# KiCad board mainboard_1.kicad_pcb (continued)
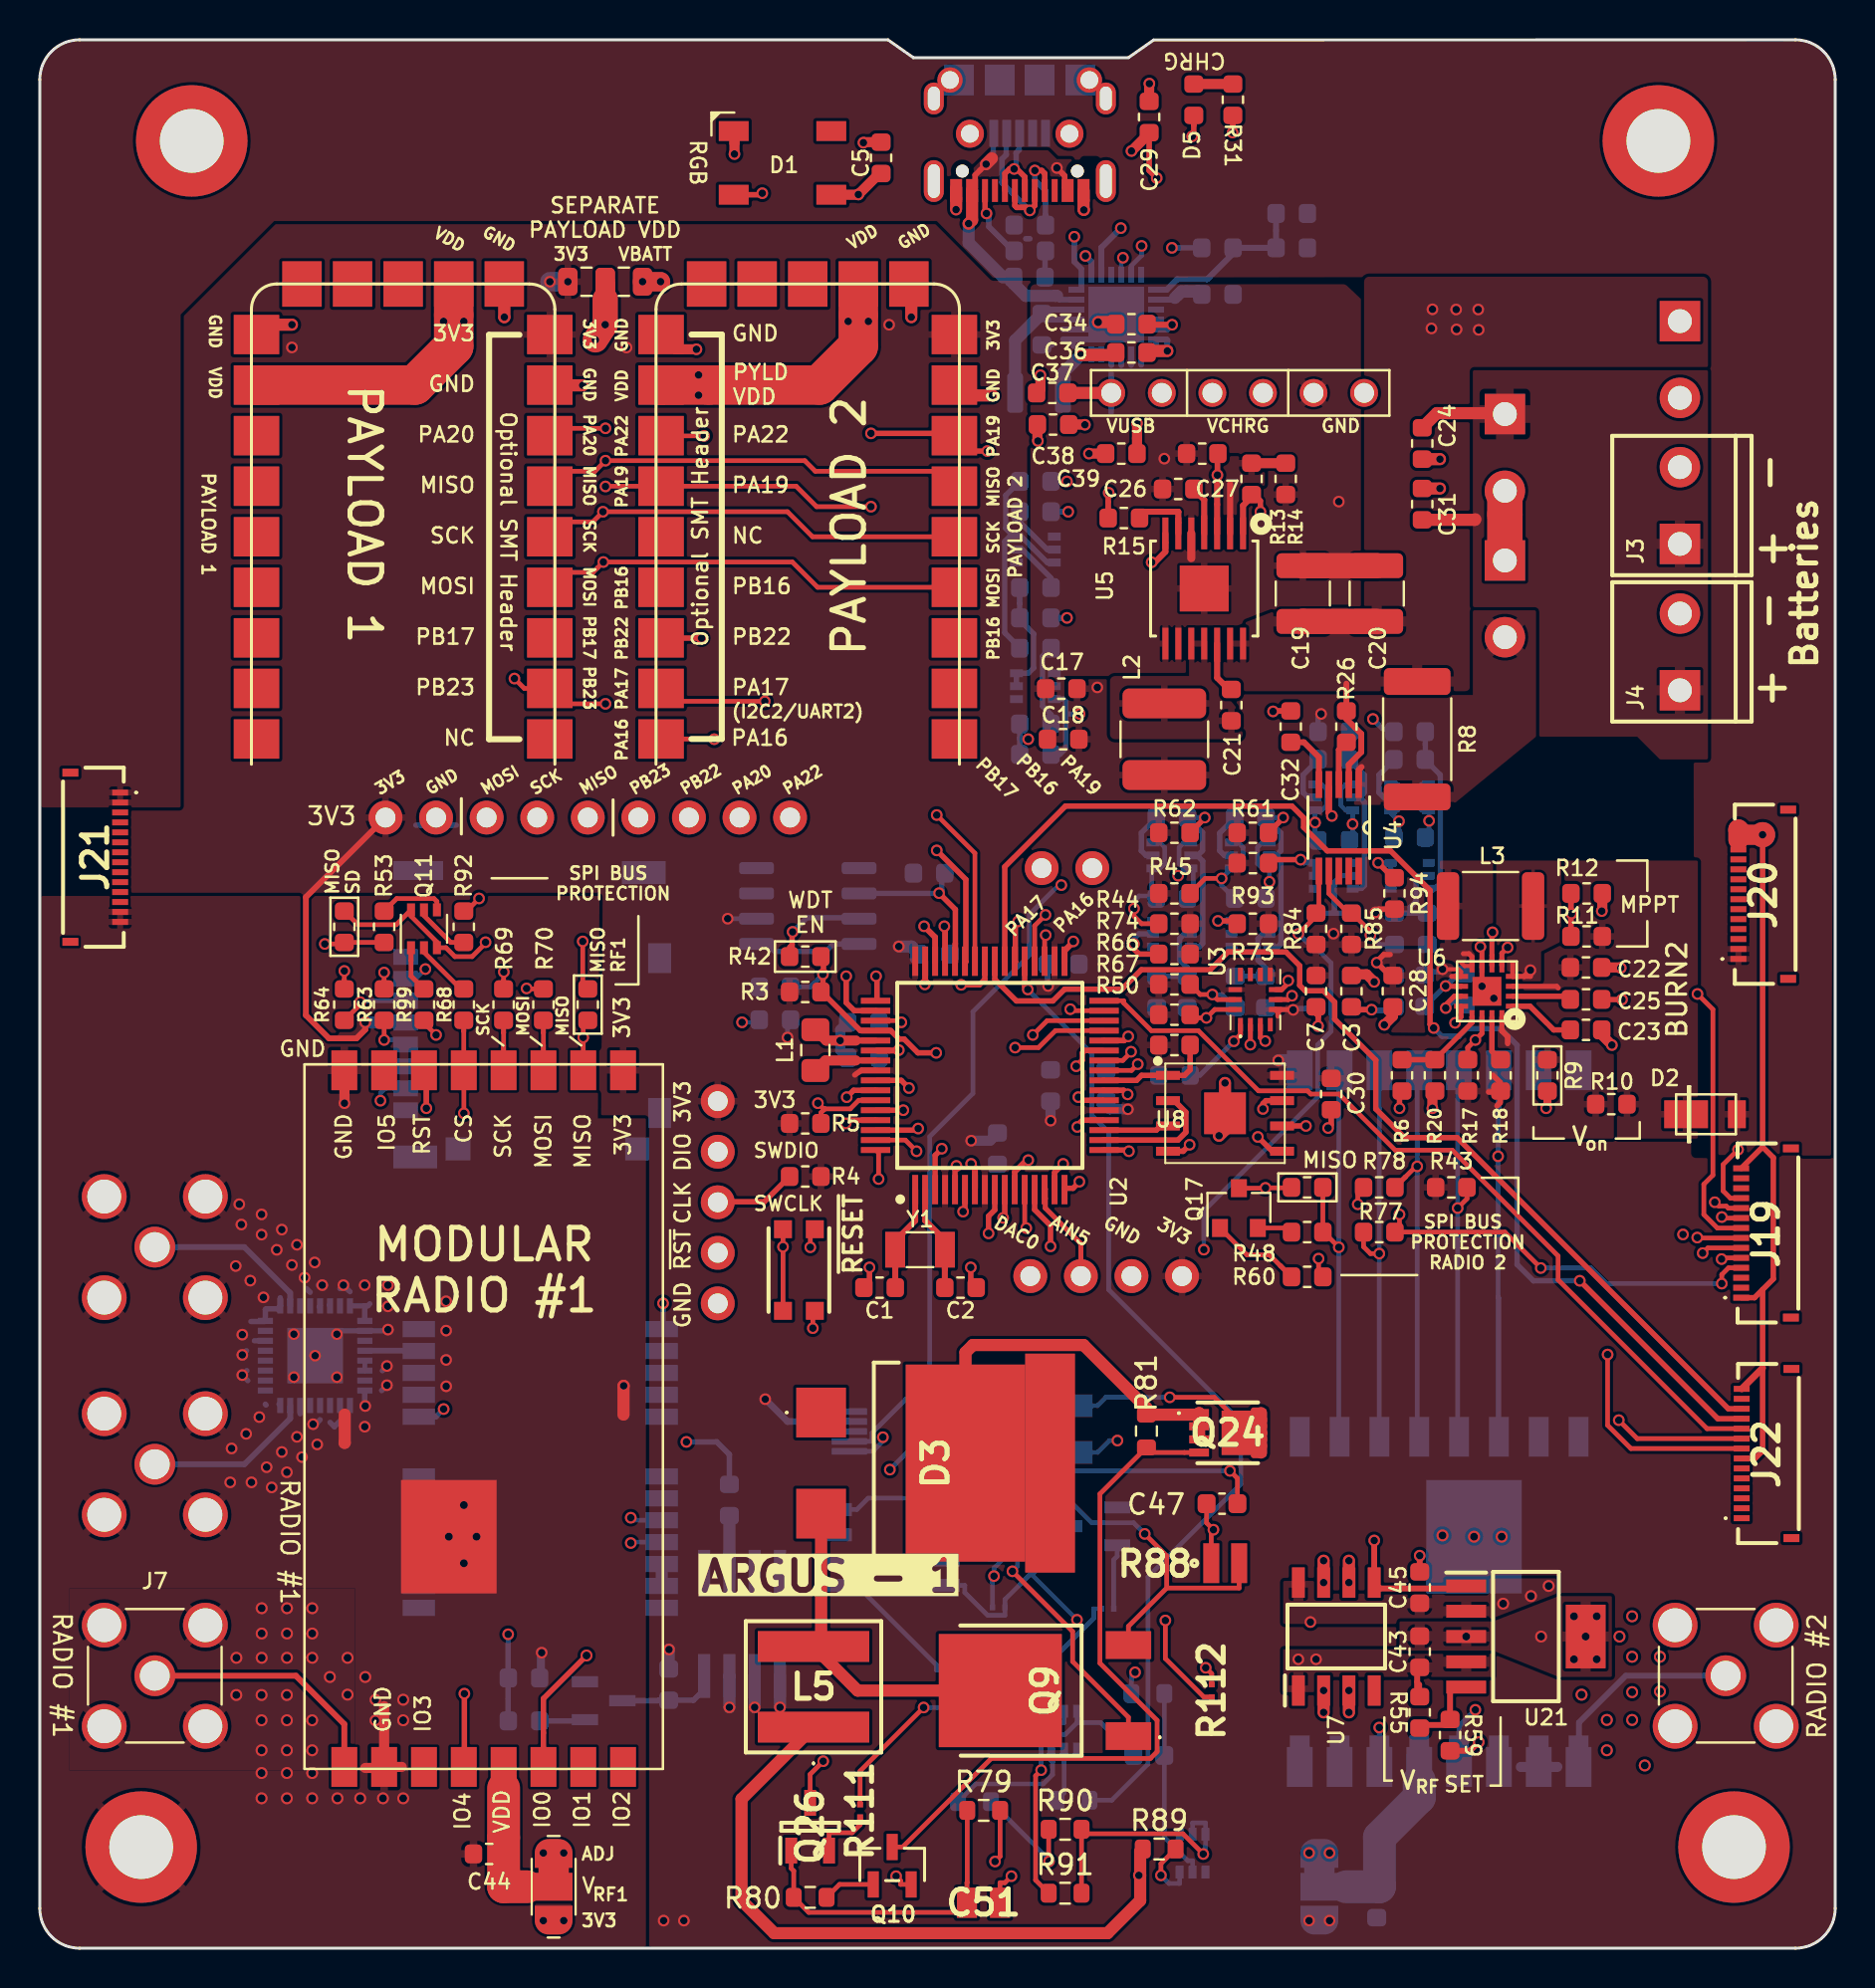
[diagram p0: board, top side]
## Library data of the parts (continued)
Q10 = -: Description: Single N-Channel MOSFET; Manufacturer_Name: Infineon Technologies; Manufacturer_Part_Number: IRLML2803TRPbF; Proto: 2302
Q11 = -: Description: 600mA IC, 60V Vce, Dual PNP/PNP Transistors, SOT-363; Flight: MMDT2907AQ-7-F; Manufacturer_Name: Diodes Incorporated; Manufacturer_Part_Number: MMDT2907AQ-7-F; Proto: MMDT2907A
Q12 Q13 Q18 Q19 = -: Description: Dual N-Channel MOSFET - 2NMOS; Manufacturer_Name: Diodes Incorporated
Q17 = -: Description: 0.8A Ic, 45V Vce, PNP Transistor, SOT-23; Flight: MMBT2907ALT1G; Manufacturer_Name: ON Semiconductor; Manufacturer_Part_Number: MMBT2907ALT1G; Proto: MMBT2907A
Q22 = -: Description: P-Channel MOSFET; Manufacturer_Name: ON Semiconductor; Proto: DMP2022LSS-13
Q24 = -: Description: Automotive P-Channel 40 V (D-S) 175 C MOSFET; Height: 1.12; Manufacturer_Name: Vishay; Mouser Part Number: 78-SQS141ELNW-T1_GE3; Mouser Price/Stock: https://www.mouser.co.uk/ProductDetail/Vishay-Semiconductors/SQS141ELNW-T1_GE3?qs=t7xnP681wgUUJh1P9XVDHQ%3D%3D
Q25 Q26 = -: Description: Bipolar Transistors - BJT TRANS GP BJT NPN 6V 0.05A 3PIN; Height: 1.3; Manufacturer_Name: ROHM Semiconductor; Mouser Part Number: 755-2SC4713KT146R; Mouser Price/Stock: https://www.mouser.co.uk/ProductDetail/ROHM-Semiconductor/2SC4713KT146R?qs=IsRgwgmxh69T12rcC0HTuA%3D%3D
R1-R4 R26 R29-R31 R34-R36 R39 R40 R44-R53 R55 R59-R78 R82-R87 R89-R96 R99 R100 R102 R103 R110 = -: Description: Resistor, US symbol
R5 R7 R41 R43 = -: Description: 10k 0603
R6 = -: Description: 4.7k 0603
R8 = -: Description: 0.1 1% 2W 2512
R9 = -: Description: 107K 0603; DNI: DNI
R10 = -: Description: 0 0603
R11 = -: Description: 787K 0603
R12 = -: Description: 121K 0603
R13 = -: Description: 73.2K 0603
R14 = -: Description: 22.1K 0603
R15 R17 = -: Description: 100K 0603
R16 = -: Description: 845K 1% 0603
R18 = -: Description: 100K 0603; DNI: DNI
R19 = -: Description: 2.1M 1% 0603
R20 = -: Description: 3.01K 0603
R21 R24 R79 = -: Description: 10K 0603
R22 R80 = -: Description: 4.7K 0603
R23 R81 = -: Description: 3.3K 0603
R42 R54 R56 R97 R98 R101 R104 R107-R109 = -: Description: Resistor, US symbol; DNI: DNI
R88 = -: Description: High Power Chip Resistor (Wide Terminal type), 0508; Height: 0.6; Manufacturer_Name: Panasonic; Manufacturer_Part_Number: ERJ-B3CFR02V; Mouser Part Number: 667-ERJ-B3CFR02V; Mouser Price/Stock: https://www.mouser.com/Search/Refine.aspx?Keyword=667-ERJ-B3CFR02V
R105 R111 = -: Description: Series/Type: Precision Thick Film Chip Resistors, Power Rating (W): 0.05, Chip Size (LxW(EIA)) (mm): 0.6 x 0.3 (EIA:0201), Resistance Values (): 1000, Resistance Tolerance (%): 1, T.C.R (10/K): +/-200; Height: 0.26; Manufacturer_Name: Panasonic; Manufacturer_Part_Number: ERJ-1GJF1001C; Mouser Part Number: 667-ERJ-1GJF1001C; Mouser Price/Stock: https://www.mouser.co.uk/ProductDetail/Panasonic/ERJ-1GJF1001C?qs=OcgtsXO%252B3guJUjvXwXq4eA%3D%3D
R106 = -: Description: Series/Type: Precision Thick Film Chip Resistors, Power Rating (W): 0.05, Chip Size (LxW(EIA)) (mm): 0.6 x 0.3 (EIA:0201), Resistance Values (): 10000, Resistance Tolerance (%): 1, T.C.R (10/K): +/-200; Height: 0.26; Manufacturer_Name: Panasonic; Manufacturer_Part_Number: ERJ-1GJF1002C; Mouser Part Number: 667-ERJ-1GJF1002C; Mouser Price/Stock: https://www.mouser.co.uk/ProductDetail/Panasonic/ERJ-1GJF1002C?qs=OcgtsXO%252B3gveAYGlL%2Fftlw%3D%3D
R112 = -: Description: Series/Type: Thick Film Chip Resistors, Power Rating (W): -, 0.6 x 0.3 (EIA:0201), Resistance Values (): 0, Resistance Tolerance (%): -, T.C.R (10/K): -; DNI: DNI; Height: 0.26; Manufacturer_Name: Panasonic; Manufacturer_Part_Number: ERJ-1GJ0R00C; Mouser Part Number: 667-ERJ-1GJ0R00C; Mouser Price/Stock: https://www.mouser.co.uk/ProductDetail/Panasonic/ERJ-1GJ0R00C?qs=OcgtsXO%252B3gsHTMloWTpOqQ%3D%3D
R113 = -: Description: Panasonic ERJ6BW Series Thick Film Current Sensing Surface Mount Resistor 0805 Case 0.082 +/-1% 0.5W +/-200ppm/C; Manufacturer_Name: Panasonic; Manufacturer_Part_Number: ERJ-6BWFR082V; Mouser Part Number: 667-ERJ-6BWFR082V; Mouser Price/Stock: https://www.mouser.com/Search/Refine.aspx?Keyword=667-ERJ-6BWFR082V
SW1 = -: Description: Tactile Switch SPST-NO; Manufacturer_Name: C&K
U1 = -: Description: Watch-dog Timer; Manufacturer_Name: Maxim Integrated
U2 = -: Description: Microcontroller; Manufacturer_Name: Microchip Technology
U3 = -: Description: IMUs - Inertial Measurement Units 9-axis (9DOF) Absolute Orientation MEMS Sensor; Manufacturer_Name: Bosch Sensortec
U4 U18 = -: Description: Power Monitor; Manufacturer_Name: Analog Devices Inc.
U5 = -: Description: 3.3V Switching Regulator; Flight: TPS54226PWPR; Manufacturer_Name: Texas Instruments; Manufacturer_Part_Number: TPS54226PWPR; Proto: TPS54226PWPR; Field8: >Name
U6 = -: Description: Battery Charger - MPPT - Solar Input; Flight: LTC4121EUD; Manufacturer_Name: Analog Devices Inc.; Manufacturer_Part_Number: LTC4121EUD; Proto: LTC4121EUD
U7 = -: Description: Fixed LDO (alt for U21 - 2021 chip shortage); Manufacturer_Name: STMicroelectronics
U8 = -: Description: Non-Volatile Memory; Manufacturer_Name: Everspin Technologies Inc.; Manufacturer_Part_Number: W25Q80DVSNIG; Proto: W25Q80DVSNIG
U10 U12 U15 = -: DNI: DNI
U13 = -: Description: RF Splitter DC-Pass; DNI: DNI; Manufacturer_Name: Mini Circuits
U14 = -: DNI: DNI; Field5: >Name
U17 = -: Description: Battery Charger - USB Power Delivery; Manufacturer_Name: Texas Instruments
U21 = -: Description: Adjustable LDO; Manufacturer_Name: Texas Instruments
U23 = -: Description: 433 MHz 1W Radio; Manufacturer_Name: HopeRF; Field8: RADIO 2
U24 = -: DNI: DNI; Field5: RADIO 2
Y1 = -: Description: Two pin crystal; Flight: ABS07-32.768KHZ-T; Manufacturer_Name: Abracon LLC; Manufacturer_Part_Number: SC-32S32.768kHz20PPM7pF; Proto: SC-32S32.768kHz20PPM7pF

## Footprints (pads in the part's own frame, mm; a bottom-side part is the same pattern mirrored in y, then rotated)
10118194-0001LF
  rect 0.45x1.35 smd: 1(-1.3,2.675) 2(-0.65,2.675) 3(0,2.675) 4(0.65,2.675) 5(1.3,2.675)
  round 1.408 hole 0.9: 6(-2.5,2.7) 7(2.5,2.7)
  round 1.27 hole 0.889: 8(-3.5,0) 9(3.5,0)
  rect 1.5x1.55 smd: 10(-1,0) 11(1,0) 12(-3.05,0) 13(3.05,0)
ADM1176-1ARMZ-R7
  rect 1.35x0.33 smd: 1(-2.17,1) 2(-2.17,0.5) 3(-2.17,0) 4(-2.17,-0.5) 5(-2.17,-1) 6(2.18,-1) 7(2.18,-0.5) 8(2.18,0) 9(2.18,0.5) 10(2.18,1)
ADM1176-1ARMZ-R7#2
  rect 1.778x0.33 smd: 1(-2.045,1) 2(-2.045,0.5) 3(-2.045,0) 4(-2.045,-0.5) 5(-2.045,-1) 6(2.045,-1) 7(2.045,-0.5) 8(2.045,0) 9(2.045,0.5) 10(2.045,1)
BMX160
  rect 0.675x0.25 smd: 1(1.262,-0.75) 2(1.262,-0.25) 3(1.262,0.25) 4(1.262,0.75) 8(-1.262,0.75) 9(-1.262,0.25) 10(-1.262,-0.25) 11(-1.262,-0.75)
  rect 0.25x0.675 smd: 5(0.5,1.012) 6(0,1.012) 7(-0.5,1.012) 12(-0.5,-1.012) 13(0,-1.012) 14(0.5,-1.012)
BSS138DWQ-7
  rect 0.6x0.4 smd: 1(-0.95,0.65) 2(-0.95,0) 3(-0.95,-0.65) 4(0.95,-0.65) 5(0.95,0) 6(0.95,0.65)
BTN_KMR2_4.6X2.8
  rect 0.9x0.9 smd: A(2.05,0.8) A'(-2.05,0.8) B(2.05,-0.8) B'(-2.05,-0.8)
C_0603_1608Metric
  rrect 0.875x0.95 smd: 1(-0.787,0) 2(0.787,0)
C_1210_3225Metric
  rrect 1.25x2.65 smd: 1(-1.4,0) 2(1.4,0)
CAPC1608X87N
  rect 0.78x0.98 smd: 1(-0.7,0) 2(0.7,0)
CAPC2012X150N
  rect 1.01x1.52 smd: 1(-0.83,0) 2(0.83,0)
Crystal_SMD_3215-2Pin_3.2x1.5mm
  rect 1x1.8 smd: 1(1.25,0) 2(-1.25,0)
ERJ1GJJ2R4C
  rect 0.275x0.3 smd: 1(-0.313,0) 2(0.313,0)
ERJ6_B_BW_R_LW_CW_D
  rect 1.15x1.15 smd: 1(-1.175,0) 2(1.175,0)
ERJB30508
  rect 0.8x2 smd: 1(-0.7,0) 2(0.7,0)
F3311A7H121014E200
  rect 0.3x0.8 smd: 1(-3.25,1.345) 2(-2.75,1.345) 3(-2.25,1.345) 4(-1.75,1.345) 5(-1.25,1.345) 6(-0.75,1.345) 7(-0.25,1.345) 8(0.25,1.345) 9(0.75,1.345) 10(1.25,1.345) 11(1.75,1.345) 12(2.25,1.345) 13(2.75,1.345) 14(3.25,1.345)
  rect 0.4x0.8 smd: MP1(-4.25,-1.155) MP2(4.25,-1.155)
HOPERF_RFM9XW_SMD
  rect 2x1 smd: 1(-8,7) 2(-8,5) 3(-8,3) 4(-8,1) 5(-8,-1) 6(-8,-3) 7(-8,-5) 8(-8,-7) 9(8,-7) 10(8,-5) 11(8,-3) 12(8,-1) 13(8,1) 14(8,3) 15(8,5) 16(8,7)
IRFR320TRPBFBE3
  rect 1.397x2.286 smd: 1(-2.286,-4.192) 3(2.286,-4.192)
  rect 5.69x6.18 smd: 2(0,2.243)
L_0805_2012Metric_Pad1.15x1.40mm_HandSolder
  rrect 1.15x1.4 smd: 1(-1.025,0) 2(1.025,0)
L_1812_4532Metric
  rrect 1.125x3.4 smd: 1(-2.138,0) 2(2.138,0)
L_2141
  rrect 1.5x4.2 smd: 1(-1.8,0) 2(1.8,0)
L_2510
  rrect 0.8x2 smd: 1(-1.2,0) 2(1.2,0)
LED_0603_1608Metric
  rrect 0.875x0.95 smd: 1(-0.787,0) 2(0.787,0)
LED_WS2812B_PLCC4_5.0x5.0mm_P3.2mm
  rect 1.5x1 smd: 1(-2.45,1.6) 2(-2.45,-1.6) 3(2.45,-1.6) 4(2.45,1.6)
MOLEX_503182-1852
  rect 0.8x1.24 smd: 1(-2.9,6.355) 2(-1.8,6.355) 3(-0.7,6.355) 4(0.4,6.355) 5(1.5,6.355) 6(2.6,6.355) 7(3.7,6.355) 8(4.8,6.355)
  rect 1.16x1.2 smd: DT(6.74,-5.275)
  rect 0.95x2.5 smd: P1(-7.245,5.725)
  rect 1.15x2.2 smd: P2(7.145,5.875) P3(-7.145,-5.605)
  rect 1.5x1.15 smd: P4(-2.84,-6.4) P5(4.94,-6.4)
  rect 1.16x1.25 smd: SW(6.74,3.725)
MountingHole_3.2mm_M3_DIN965_Pad
  round 5.6 hole 3.2: 1(0,0)
NDS8434
  rect 0.61x2.21 smd: 1(-1.905,-2.616) 2(-0.635,-2.616) 3(0.635,-2.616) 4(1.905,-2.616) 5(1.905,2.616) 6(0.635,2.616) 7(-0.635,2.616) 8(-1.905,2.616)
PA5432223NLT
  rect 5.6x1.55 smd: 1(0,-2.025) 2(0,2.025)
PinHeader_1x04_P2.54mm_Vertical
  oval 1.7x1.7 hole 1: 1(0,0) 2(0,-2.54) 3(0,-5.08) 4(0,-7.62)
PinHeader_1x05_P2.54mm_Vertical
  oval 1.7x1.7 hole 1: 1(0,0) 2(0,-2.54) 3(0,-5.08) 4(0,-7.62) 5(0,-10.16)
PinHeader_1x06_P2.54mm_Vertical
  round 1.4 hole 1: 1(0,0) 2(0,-2.54) 3(0,-5.08) 4(0,-7.62) 5(0,-10.16) 6(0,-12.7)
PinHeader_1x09_P2.54mm_Vertical
  oval 1.7x1.7 hole 1: 1(0,0) 2(0,-2.54) 3(0,-5.08) 4(0,-7.62) 5(0,-10.16) 6(0,-12.7) 7(0,-15.24) 8(0,-17.78) 9(0,-20.32)
PinHeader_CUSTOM3
  oval 1.7x1.7 hole 1: 1(0,0) 2(0,-2.54)
PWP14_2P31X2P46-L
  rect 1.6x0.305 smd: 1(-2.769,1.95) 2(-2.769,1.3) 3(-2.769,0.65) 4(-2.769,0) 5(-2.769,-0.65) 6(-2.769,-1.3) 7(-2.769,-1.95) 8(2.769,-1.95) 9(2.769,-1.3) 10(2.769,-0.65) 11(2.769,0) 12(2.769,0.65) 13(2.769,1.3) 14(2.769,1.95)
  rect 2.31x2.46 smd: 15(0,0)
PWRDI-123
  rect 0.9x1.4 smd: A(1.45,0)
  rect 2.2x1.4 smd: C(-1.1,0)
QFN32-5X5MM
  rect 0.762x0.305 smd: 1(-2.5,1.75) 2(-2.5,1.25) 3(-2.5,0.75) 4(-2.5,0.25) 5(-2.5,-0.25) 6(-2.5,-0.75) 7(-2.5,-1.25) 8(-2.5,-1.75) 17(2.5,-1.75) 18(2.5,-1.25) 19(2.5,-0.75) 20(2.5,-0.25) 21(2.5,0.25) 22(2.5,0.75) 23(2.5,1.25) 24(2.5,1.75)
  rect 0.305x0.762 smd: 9(-1.75,-2.5) 10(-1.25,-2.5) 11(-0.75,-2.5) 12(-0.25,-2.5) 13(0.25,-2.5) 14(0.75,-2.5) 15(1.25,-2.5) 16(1.75,-2.5) 25(1.75,2.5) 26(1.25,2.5) 27(0.75,2.5) 28(0.25,2.5) 29(-0.25,2.5) 30(-0.75,2.5) 31(-1.25,2.5) 32(-1.75,2.5)
  rect 2.794x2.794 smd: EP(0,0)
QFN50P400X400X100-25N-D
  rect 0.8x0.3 smd: 1(-2,1.25) 2(-2,0.75) 3(-2,0.25) 4(-2,-0.25) 5(-2,-0.75) 6(-2,-1.25) 13(2,-1.25) 14(2,-0.75) 15(2,-0.25) 16(2,0.25) 17(2,0.75) 18(2,1.25)
  rect 0.3x0.8 smd: 7(-1.25,-2) 8(-0.75,-2) 9(-0.25,-2) 10(0.25,-2) 11(0.75,-2) 12(1.25,-2) 19(1.25,2) 20(0.75,2) 21(0.25,2) 22(-0.25,2) 23(-0.75,2) 24(-1.25,2)
  rect 2.8x2.8 smd: 25(0,0)
QFN-16-PAD
  rect 0.7x0.25 smd: P$1(-1.3,0.75) P$2(-1.3,0.25) P$3(-1.3,-0.25) P$4(-1.3,-0.75) P$9(1.3,-0.75) P$10(1.3,-0.25) P$11(1.3,0.25) P$12(1.3,0.75)
  rect 0.25x0.7 smd: P$5(-0.75,-1.3) P$6(-0.25,-1.3) P$7(0.25,-1.3) P$8(0.75,-1.3) P$13(0.75,1.3) P$14(0.25,1.3) P$15(-0.25,1.3) P$16(-0.75,1.3)
  rect 1.45x1.45 smd: P$17(0,0)
QFP50P1200X1200X120-64N
  rect 1.475x0.3 smd: 1(-5.738,3.75) 2(-5.738,3.25) 3(-5.738,2.75) 4(-5.738,2.25) 5(-5.738,1.75) 6(-5.738,1.25) 7(-5.738,0.75) 8(-5.738,0.25) 9(-5.738,-0.25) 10(-5.738,-0.75) 11(-5.738,-1.25) 12(-5.738,-1.75) 13(-5.738,-2.25) 14(-5.738,-2.75) 15(-5.738,-3.25) 16(-5.738,-3.75) 33(5.738,-3.75) 34(5.738,-3.25) 35(5.738,-2.75) 36(5.738,-2.25) 37(5.738,-1.75) 38(5.738,-1.25) 39(5.738,-0.75) 40(5.738,-0.25) 41(5.738,0.25) 42(5.738,0.75) 43(5.738,1.25) 44(5.738,1.75) 45(5.738,2.25) 46(5.738,2.75) 47(5.738,3.25) 48(5.738,3.75)
  rect 0.3x1.475 smd: 17(-3.75,-5.738) 18(-3.25,-5.738) 19(-2.75,-5.738) 20(-2.25,-5.738) 21(-1.75,-5.738) 22(-1.25,-5.738) 23(-0.75,-5.738) 24(-0.25,-5.738) 25(0.25,-5.738) 26(0.75,-5.738) 27(1.25,-5.738) 28(1.75,-5.738) 29(2.25,-5.738) 30(2.75,-5.738) 31(3.25,-5.738) 32(3.75,-5.738) 49(3.75,5.738) 50(3.25,5.738) 51(2.75,5.738) 52(2.25,5.738) 53(1.75,5.738) 54(1.25,5.738) 55(0.75,5.738) 56(0.25,5.738) 57(-0.25,5.738) 58(-0.75,5.738) 59(-1.25,5.738) 60(-1.75,5.738) 61(-2.25,5.738) 62(-2.75,5.738) 63(-3.25,5.738) 64(-3.75,5.738)
R_0603_1608Metric
  rrect 0.875x0.95 smd: 1(-0.787,0) 2(0.787,0)
R_0603_1608Metric#2
  rrect 0.8x0.95 smd: 1(-0.825,0) 2(0.825,0)
R_0805_2012Metric
  rrect 0.975x1.4 smd: 1(-0.938,0) 2(0.938,0)
R_2512_6332Metric
  rrect 1.35x3.35 smd: 1(-2.9,0) 2(2.9,0)
RFM95PW
  rect 2x1.3 smd: 1(17.6,-7.5) 2(17.6,-5.5) 3(17.6,-3.5) 4(17.6,-1.5) 5(17.6,0.5) 6(17.6,2.5) 7(17.6,4.5) 8(17.6,6.5) 9(-17.4,6.5) 10(-17.4,4.5) 11(-17.4,2.5) 12(-17.4,0.5) 13(-17.4,-1.5) 14(-17.4,-3.5) 15(-17.4,-5.5) 16(-17.4,-7.5)
  rect 5.7x4.8 smd: 17(6.032,-2.25)
RFN10NS3STL
  rect 2.5x2.5 smd: 1(-2.54,-5.825) 3(2.54,-5.825)
  rect 11x2.5 smd: 2(0,5.675)
  rect 9.9x6 smd: 4(0,1.425)
S1216_24PIN_PACKAGE
  rect 1.626x0.813 smd: 1(5.85,-7.62) 2(5.85,-6.52) 3(5.85,-5.42) 4(5.85,-4.32) 5(5.85,-3.22) 6(5.85,-2.12) 7(5.85,-1.02) 8(5.85,1.98) 9(5.85,3.08) 10(5.85,4.18) 11(5.85,5.28) 12(5.85,6.38) 13(-6.35,6.38) 14(-6.35,5.28) 15(-6.35,4.18) 16(-6.35,3.08) 17(-6.35,1.98) 18(-6.35,-1.02) 19(-6.35,-2.12) 20(-6.35,-3.22) 21(-6.35,-4.32) 22(-6.35,-5.42) 23(-6.35,-6.52) 24(-6.35,-7.62)
SCREWTERMINAL-3.5MM-2_LOCK
  rect 2.032x2.032 hole 1.2: 1(-0.178,0)
  round 2.032 hole 1.2: 2(3.678,0)
SMA_Amphenol_901-144_Vertical
  round 2.05 hole 1.5: 1(0,0)
  round 2.25 hole 1.7: 2(-2.54,2.54) 2(-2.54,-2.54) 2(2.54,2.54) 2(2.54,-2.54)
SO-8_3.9x4.9mm_P1.27mm
  rrect 1.75x0.6 smd: 1(-2.575,1.905) 2(-2.575,0.635) 3(-2.575,-0.635) 4(-2.575,-1.905) 5(2.575,-1.905) 6(2.575,-0.635) 7(2.575,0.635) 8(2.575,1.905)
SOIC127P600X175-8N
  rect 1.525x0.65 smd: 1(-2.712,1.905) 2(-2.712,0.635) 3(-2.712,-0.635) 4(-2.712,-1.905) 5(2.712,-1.905) 6(2.712,-0.635) 7(2.712,0.635) 8(2.712,1.905)
SolderJumper-3_P1.3mm_Bridged12_RoundedPad1.0x1.5mm
  custom 1.45x1.9 smd: 1(-1.7,0) 3(1.7,0)
  rect 1.4x1.9 smd: 2(0,0)
SON127P600X500X90-9N
  rect 1.2x0.45 smd: 1(-2.865,1.905) 2(-2.865,0.635) 3(-2.865,-0.635) 4(-2.865,-1.905) 5(2.865,-1.905) 6(2.865,-0.635) 7(2.865,0.635) 8(2.865,1.905)
  rect 2.1x2.1 smd: 9(0,0)
SOT95P280X130-3N
  rect 1.3x0.6 smd: 1(-1.2,0.95) 2(-1.2,-0.95) 3(1.2,0)
SOT-23
  rect 0.9x0.8 smd: 1(-1,0.95) 2(-1,-0.95) 3(1,0)
SOT-23#2
  rect 0.559x1.321 smd: 1(-0.953,-1.003) 2(0.953,-1.003) 3(0,0.876)
SOT-363_SC-70-6
  rect 0.65x0.4 smd: 1(-0.95,0.65) 2(-0.95,0) 3(-0.95,-0.65) 4(0.95,-0.65) 5(0.95,0) 6(0.95,0.65)
SQS850ENT1_GE3
  rect 0.99x0.405 smd: 1(-1.435,0.99) 2(-1.435,0.33) 3(-1.435,-0.33) 4(-1.435,-0.99)
  rect 0.51x0.405 smd: 5(1.675,-0.99) 6(1.675,-0.33) 7(1.675,0.33) 8(1.675,0.99)
  rect 1.725x2.235 smd: 9(0.557,0)
  rect 0.25x0.077 smd: 10(1.295,-1.156) 11(1.295,1.156)
TPS7A4501DCQT
  rect 2x0.65 smd: 1(-3,2.54) 2(-3,1.27) 3(-3,0) 4(-3,-1.27) 5(-3,-2.54)
  rect 2x3.2 smd: 6(3,0)
USB_C_Receptacle_XKB_U262-161N-4BVC11
  round 0.65 hole 0.65 unplated: (-2.39,4.045) (3.39,4.045)
  rect 0.6x1.15 smd: A1(-2.7,5.02) A4(-1.9,5.02) A9(2.9,5.02) A12(3.7,5.02)
  rect 0.3x1.15 smd: A5(-0.75,5.02) A6(0.25,5.02) A7(0.75,5.02) A8(1.75,5.02) B5(2.25,5.02) B6(1.25,5.02) B7(-0.25,5.02) B8(-1.25,5.02)
  oval 1x2.1 hole 0.6x1.7: S1(-3.82,4.545) S1(4.82,4.545)
  oval 1x1.6 hole 0.6x1.2: S1(-3.82,0.395) S1(4.82,0.395)
XTB40_payload
  rect 2.286x1.981 smd: 1(0.254,22.86) 2(0.254,20.32) 3(0.254,17.78) 4(0.254,15.24) 5(0.254,12.7) 6(0.254,10.16) 7(0.254,7.62) 8(0.254,5.08) 9(0.254,2.54) 15(14.986,2.54) 16(14.986,5.08) 17(14.986,7.62) 18(14.986,10.16) 19(14.986,12.7) 20(14.986,15.24) 21(14.986,17.78) 22(14.986,20.32) 23(14.986,22.86)
  rect 1.981x2.286 smd: 10(2.54,0) 11(5.08,0) 12(7.62,0) 13(10.16,0) 14(12.7,0)

## Nets
3.3V: C5.1 C7.1 C9.2 C10.1 C11.1 C13.1 C15.1 C16.1 C17.2 C18.2 C30.1 D1.1 J1.4 J2.1 J8.1 J10.4 JP6.3 JP7.3 L2.2 Q22.1 Q22.2 Q22.3 R3.1 R4.1 R5.1 R13.2 R17.2 R18.2 R23.1 R43.1 R44.1 R45.1 R50.2 R51.2 R54.1 R61.1 R62.1 R66.1 R67.1 R73.1 R74.1 R82.1 R83.1 R84.1 R85.1 R93.1 R94.1 U1.2 U2.4 U2.8 U2.21 U2.34 U2.48 U2.56 U3.5 U3.8 U3.12 U5.1 U8.8 U10.9 U12.9 U18.9 U23.9 U24.9
/Power1/3V3_EN: C49.2 IC1.2 Q14.6 Q26.3 R89.2 R106.1
/Power/3V3_EN: Q2.6 R29.2 U5.7
GND: C1.2 C2.2 C3.2 C4.1 C5.2 C7.2 C8.2 C9.1 C10.2 C11.2 C12.1 C13.2 C14.2 C15.2 C16.2 C17.1 C18.1 C19.2 C20.2 C22.2 C23.2 C26.2 C27.2 C28.2 C30.2 C32.1 C40.2 C41.2 C42.2 C43.1 C44.1 C45.1 C46.1 C47.1 C49.1 C50.1 C51.1 D1.3 H1.1 H2.1 H3.1 H4.1 IC1.3 IC1.6 IC1.7 J1.6 J1.P1 J1.P2 J1.P3 J1.P4 J1.P5 J2.5 J5.2 J6.2 J7.2 J8.2 J10.3 J12.2 J14.5 J18.2 J19.1 J19.14 J20.13 J20.14 J21.13 J21.14 J22.7 J22.14 Q1.2 Q2.1 Q2.4 Q3.1 Q3.4 Q10.2 Q12.1 Q12.4 Q13.1 Q13.4 Q14.1 Q14.4 Q18.1 Q18.4 Q19.1 Q19.4 Q23.1 Q23.4 Q25.1 R2.1 R7.1 R9.2 R12.1 R14.1 R20.1 R21.2 R41.2 R59.2 R79.2 R88.1 R112.1 SW1.B SW1.B' U1.3 U1.4 U2.7 U2.22 U2.33 U2.47 U2.54 U3.2 U3.3 U3.6 U3.7 U4.4 U5.5 U5.8 U5.9 U5.15 U6.P$5 U6.P$7 U6.P$12 U6.P$17 U7.2 U7.3 U7.6 U7.7 U8.4 U8.9 U10.8 U10.10 U10.15 U12.8 U12.10 U12.15 U13.1 U13.2 U13.3 U13.5 U13.6 U13.7 U13.8 U13.9 U13.10 U13.11 U13.12 U13.13 U13.14 U13.16 U13.17 U13.18 U13.19 U13.20 U13.21 U13.22 U13.23 U13.24 U13.25 U13.27 U13.28 U13.29 U13.30 U13.31 U13.32 U13.EP U14.10 U14.12 U14.13 U14.24 U15.1 U15.8 U15.10 U18.4 U21.3 U21.6 U23.2 U23.16 U23.17 U24.2 U24.16 U24.17
GNDREF: C24.2 C29.2 C31.2 C33.1 C34.2 C35.1 C37.1 C38.1 C39.1 J3.2 J4.2 J11.5 J11.8 J11.9 J13.A1 J13.A12 J13.S1 J14.6 J18.1 R35.1 R36.1 R39.1 R40.1 R46.1 U17.19 U17.20 U17.25
VBATT: C19.1 C20.1 C28.1 C45.2 J14.2 L5.1 R1.1 R8.1 R19.1 R26.1 R29.1 R30.1 R47.1 R49.1 R56.2 R89.1 R90.1 R100.1 R102.1 U4.2 U5.13 U5.14 U6.P$9 U7.8 U21.2
VBATT_SENSE: J17.2 R8.2 U4.1
VBUS_IN: C29.1 C33.2 J11.1 J13.A4 J13.A9 R34.1 U17.23
VBUS_RESET: R52.2 R103.2 U2.37
VCC_RF1: C44.2 JP6.2 U23.5
VCC_RF2: C46.2 JP7.2 U15.13 U24.5
/Avionics/BATTERY: C3.1 R1.2 R2.2 U2.15
/Avionics/XTAL1: C1.1 U2.1 Y1.1
/Avionics/XTAL2: C2.1 U2.2 Y1.2
/Power/REGN: C34.1 R31.2 U17.11
/Power/V_RF: C43.2 JP6.1 JP7.1 R55.1 U7.1 U21.4
/Power/VCHRG_IN: C22.1 D2.C R10.2 R11.2 U6.P$3
/RF and GPS/PYLD12_VDD: R54.2 R56.1 U10.11 U10.16 U12.11 U12.16
/RF and GPS/RF2_ANT: J12.1 U15.9 U24.1
/RF and GPS/RF_IN: U13.4 U14.11
AIN5: J10.2 U2.14
BAT_THERM: J22.13
BURN_RELAY_A: J22.8 U2.28
DAC0: J10.1 U2.3
ENAB_BURN1: J22.9 U2.60
ENAB_BURN2: J22.10 U2.32
ENAB_BURN3: J22.11 U2.39
ENAB_BURN4: J22.12 U2.40
ENAB_GPS: R21.1 R22.1 U2.62
ENAB_JET: R105.1 R111.1
ENAB_RF: U2.13 U7.5 U21.1
FLASH_CS: R50.1 U2.24 U8.1
FLASH_IO2: U2.19 U8.3
FLASH_IO3: U2.20 U8.7
FLASH_MISO: U2.18 U8.2
FLASH_MOSI: U2.17 U8.5
FLASH_SCK: U2.23 U8.6
GPS_PWR_IN: Q22.5 Q22.6 Q22.7 Q22.8 R24.2 U14.22 U14.23
JETSON_PWR: J19.2 J19.3 J19.12 J19.13 R65.1 R113.1 U18.2
JETSON_PWR_SENSE: Q24.5 Q24.6 Q24.7 Q24.8 Q24.9 Q24.10 Q24.11 R113.2 U18.1
L1_PROG: R6.1 R20.2 U6.P$13
MISO: J8.5 J19.6 Q11.3 Q11.6 Q17.3 R101.2 R104.2 R107.2 U2.31 U10.6 U12.6
MISO_RF1: R99.2 R101.1 U23.10
MISO_RF2: R48.2 R107.1 U15.2 U24.10
MISO_SD: J1.7 R53.2 R104.1
MOSI: J8.3 J19.4 R64.2 R70.1 R77.2 U2.29 U10.4 U12.4
MOSI_RF1: R70.2 U23.11
MOSI_RF2: R77.1 U15.3 U24.11
MOSI_SD: J1.3 R64.1
PA16: J15.2 U2.35 U12.23
PA17: J15.1 U2.36 U12.22
PA19: J19.11 U2.38 U12.7 U12.18
PA20: J8.8 J19.9 U2.41 U10.7
PA22: J8.9 J19.10 U2.43 U12.17
PB22: J8.7 J19.8 U2.49 U12.21
PB23: J8.6 J19.7 U2.50 U10.2
RF1_ANT: J7.1 U23.1
RF1_CS: R5.2 R68.2 U2.59 U23.13
RF1_IO0: U2.6 U23.6
RF1_IO4: U2.5 U23.4
RF1_RST: U2.61 U23.14
RF2_CS: R43.2 R60.2 U2.12 U15.5 U24.13
RF2_IO0: U2.9 U15.14 U24.6
RF2_IO4: U2.10 U15.12 U24.4
RF2_RST: U2.27 U15.6 U24.14
RX: U2.64 U14.20
SCK: J8.4 J19.5 R63.2 R69.2 R78.2 U2.30 U10.5 U12.5
SCK_RF1: R69.1 U23.12
SCK_RF2: R78.1 U15.4 U24.12
SCK_SD: J1.5 R63.1
SCL: Q7.1 Q7.3 Q15.1 Q15.3 R45.2 R97.2 R108.2 U2.26
SCL_IMU: Q7.4 Q7.6 R66.2 R75.1 R97.1 U3.13
SCL_PWR: Q15.4 Q15.6 R84.2 R95.1 R108.1 U4.6 U17.5 U18.6
SD_CS: J1.2 R51.1 R92.2 U2.51
SDA: Q8.1 Q8.3 Q16.1 Q16.3 R44.2 R98.2 R109.2 U2.25
SDA_IMU: Q8.4 Q8.6 R67.2 R76.1 R98.1 U3.14
SDA_PWR: Q16.4 Q16.6 R85.2 R96.1 R109.1 U4.7 U17.4 U18.7
STAT: D5.1 U17.2
SWCLK: J2.3 R4.2 U2.57
SWDIO: J2.2 U2.58
THM: R34.2 R35.2 R46.2 U17.7
TX: U2.63 U14.21
USB_CC1: J13.A5 R40.2
USB_CC2: J13.B5 R39.2
USB_D+: J11.3 J13.A6 J13.B6 U2.46 U17.24
USB_D-: J11.2 J13.A7 J13.B7 U2.45 U17.1
VCHRG: C24.1 C31.1 J3.1 J4.1 J14.4 J16.1
VSOLAR: D2.A J20.1 J20.2 J21.1 J21.2
WDT_WDI: R7.2 U1.6 U2.44
~{CHRG}: R17.1 U2.11 U6.P$14
~{RESET}: C4.2 J2.4 R3.2 R42.1 SW1.A SW1.A' U2.52
Net-(D1-DIN): D1.4 U2.42
Net-(D3-A_2): D3.3 L5.2 Q9.2
Net-(D3-K_2): D3.4 Q24.1 Q24.2 Q24.3 R81.1
Net-(D5-A): D5.2 R31.1
Net-(IC1-CS): IC1.8 Q9.3 R88.2
Net-(IC1-EXT): IC1.1 Q9.1
Net-(IC1-REF): C50.2 IC1.5
Net-(IC1-SHDN): IC1.4 Q25.3 R106.2 R112.2
Net-(J5-In): J5.1 U13.15
Net-(J6-In): J6.1 U13.26
Net-(J14-Pin_1): C37.2 C38.2 J14.1 U17.15 U17.16
Net-(J14-Pin_3): C39.2 J14.3 U17.13 U17.14
Net-(J16-Pad2): J16.2 J17.1
Net-(Q1-D): Q1.3 Q22.4 R23.2
Net-(Q1-G): Q1.1 R22.2
Net-(Q2A-B1): Q2.2 Q2.3 R30.2 R110.2
Net-(Q2B-B2): C6.2 Q2.5 R47.2
Net-(Q3A-B1): Q3.2 R110.1
Net-(Q3A-C1): C6.1 Q3.3 Q3.6 R49.2
Net-(Q3B-B2): Q3.5 R52.1
Net-(Q7A-B1): Q7.2 R71.1
Net-(Q8A-B1): Q8.2 R72.1
Net-(Q10-D): Q10.3 Q24.4 R81.2
Net-(Q10-G): Q10.1 R80.2
Net-(Q11A-B1): Q11.2 R68.1
Net-(Q11A-E1): Q11.1 R99.1
Net-(Q11B-B2): Q11.5 R92.1
Net-(Q11B-E2): Q11.4 R53.1
Net-(Q12A-D1): Q7.5 Q12.6 R61.2 R71.2
Net-(Q12A-G2): Q12.2 Q12.3 R73.2
Net-(Q12B-G1): C8.1 Q12.5 R75.2
Net-(Q13A-D1): Q8.5 Q13.6 R62.2 R72.2
Net-(Q13A-G2): Q13.2 Q13.3 R74.2
Net-(Q13B-G1): C40.1 Q13.5 R76.2
Net-(Q14A-B1): Q14.2 Q14.3 R90.2 R91.2
Net-(Q14B-B2): C52.2 Q14.5 R100.2
Net-(Q15A-B1): Q15.2 R86.1
Net-(Q15B-B2): Q15.5 Q18.6 R82.2 R86.2
Net-(Q16A-B1): Q16.2 R87.1
Net-(Q16B-B2): Q16.5 Q19.6 R83.2 R87.2
Net-(Q17-B): Q17.1 R60.1
Net-(Q17-E): Q17.2 R48.1
Net-(Q18A-G2): Q18.2 Q18.3 R93.2
Net-(Q18B-G1): C41.1 Q18.5 R95.2
Net-(Q19A-G2): Q19.2 Q19.3 R94.2
Net-(Q19B-G1): C42.1 Q19.5 R96.2
Net-(Q23A-B1): Q23.2 R91.1
Net-(Q23A-C1): C52.1 Q23.3 Q23.6 R102.2
Net-(Q23B-B2): Q23.5 R103.1
Net-(Q25-B): Q25.2 R105.2
Net-(Q26-B): Q26.2 R111.2
Net-(Q26-E): C51.2 Q26.1 R79.1 R80.1
Net-(U1-~{MR}): U1.1 U1.8
Net-(U1-~{RESET}): R42.2 U1.7
Net-(U2-PA07): R6.2 U2.16
Net-(U2-VDDCORE): C12.2 C14.1 L1.1 U2.53
Net-(U2-VSW): L1.2 U2.55
Net-(U3-SDO): R41.1 U3.1
Net-(U4-ON): R26.2 U4.3
Net-(U4-TIMER): C32.2 U4.5
Net-(U5-PG): R15.1 U5.6
Net-(U5-SS): C26.1 U5.4
Net-(U5-SW1): C21.1 L2.1 U5.10 U5.11
Net-(U5-VBST): C21.2 U5.12
Net-(U5-VFB): R13.1 R14.2 U5.2
Net-(U5-VREG5): C27.1 R15.2 U5.3
Net-(U6-BOOST): C25.1 U6.P$2
Net-(U6-CHGSNS): L3.1 U6.P$8
Net-(U6-FB): R16.2 R19.2 U6.P$10
Net-(U6-FBG): R16.1 U6.P$11
Net-(U6-INTVCC): C23.1 U6.P$1
Net-(U6-MPPT): R11.1 R12.2 U6.P$6
Net-(U6-RUN): R9.1 R10.1 U6.P$16
Net-(U6-SW): C25.2 L3.2 U6.P$4
Net-(U6-~FAULT): R18.1 U6.P$15
Net-(U14-RSTN): R24.1 U14.8
Net-(U17-BTST): C36.2 U17.12
Net-(U17-ILIM): R36.2 U17.8
Net-(U17-PMID_1): C35.2 L4.1 U17.21 U17.22
Net-(U17-SW_1): C36.1 L4.2 U17.17 U17.18
Net-(U18-ON): R65.2 U18.3
Net-(U18-TIMER): C47.2 U18.5
Net-(U21-SENSE/ADJ): R55.2 R59.1 U21.5

Pads without a net: D1 2; D3 1 2; J1 1 8 DT SW; J11 4 6 7 10 11 12 13; J13 A8 B8; J19 MP1 MP2; J20 3 4 5 6 7 8 9 10 11 12 MP1 MP2; J21 3 4 5 6 7 8 9 10 11 12 MP1 MP2; J22 1 2 3 4 5 6 MP1 MP2; U1 5; U3 4 9 10 11; U4 8 9 10; U7 4; U10 1 3 12 13 14 17 18 19 20 21 22 23; U12 1 2 3 12 13 14 19 20; U14 1 2 3 4 5 6 7 9 14 15 16 17 18 19; U15 7 11 15 16; U17 3 6 9 10; U18 8 10; U23 3 7 8 15; U24 3 7 8 15

## Via types
v1: diameter 0.584, hole 0.381, Top to Bottom, 368 vias
v2: diameter 0.6, hole 0.4, Top to Bottom, 65 vias
v3: diameter 1.27, hole 0.381, Top to Bottom, 1 via

## Routing (per net, layer and track width the routed paths; a pad name or vN(x,y) marks a point on that pad's centre or on a via; arc(x,y) is an arc through that point)
3.3V: length 102.3
  Top w0.25: 62.09,47.16 62.93,47.16 v1(62.95,47.15)
  Top w0.272: R94.1 67.25,52.21 v1(67.08,52.04) ; 40.93,43.88 41.25,44.1 U2.56 42.04,44.1 ; 60.99,73.04 61.3,72.72 v1(61.3,72.17) ; U3.5 62.19,47.03 62.19,46.84
  Top w0.279: 41.1,88.1 v1(41.11,88.11) ; 73.34,43.02 72.76,43.02 ; 73.34,43.02 73.34,43.5 72.99,43.85 ; 73.34,43.02 73.34,42.48 73.19,42.33
  Top w0.293: J8.1 13.36,52.81 13.36,46.87 14.52,45.71 15.9,45.71 16.34,46.15 v1(16.34,46.52)
  Top w0.305: 60.99,73.04 60.43,72.48 U5.1
  Top w0.508: C5.1 42.16,89.17 v1(41.11,88.11) ; D1.1 41.1,88.1
  Route15 w0.272: v1(64.97,50.98) 65.95,50.98 67.02,52.04 v1(67.08,52.04) 69.22,54.18 69.22,59.5 v1(66.95,61.76) 66.7,62.01 v1(64.35,62.01)
  Route15 w0.279: v1(53.11,63.35) 53.11,68.38 56.9,72.17 v1(61.3,72.17)
  Route15 w0.508: v1(41.11,88.11) 42.63,86.59 42.63,81.59 v1(42.66,81.57)
  Route15 w1.27: 31.28,1.39 v1(26.31,1.39) v1(25.29,1.39) ; v1(31.33,1.39) v1(32.35,1.39)
  Bottom w0.235: 44.13,49.97 C13.1 ; C11.1 53.56,42.33 53.61,42.27 ; 63.28,44.51 U24.9 ; v1(37.55,45.76) 37.55,46.49 37.63,46.57 ; 64.2,61.46 R82.1 ; 64.01,47.21 C9.2 ; 37.63,46.57 R51.2 37.63,46.57 ; 50.61,48.98 C15.1 ; v1(64.77,1.39) JP7.3 ; U1.2 v1(34.55,51.73) ; 67.88,61.25 R83.1 ; 48.09,40.93 C10.1
  Bottom w0.272: v1(50.64,48.35) 50.61,48.38 C15.1 ; v1(66.95,61.76) 67.46,61.25 68.01,61.25 ; v1(64.35,62.01) 64.2,61.86 64.2,61.06
  Bottom w0.279: v1(62.95,47.15) 63.01,47.21 64.22,47.21
  Bottom w0.338: U18.9 37.55,26.46 v1(36.43,27.58)
  Bottom w0.508: v1(54.65,42.15) 53.73,42.15 53.49,42.39 ; 48.09,40.93 47.74,40.57 v1(46.78,40.57) ; C16.1 50.76,41.59 v1(50.77,41.58)
  Bottom w0.61: 37.17,13.7 Q22.1 v1(37.17,12.1) ; R23.1 31.58,14.99 v1(31.6,15.01) ; 63.28,44.51 63.18,44.62 62.21,44.62 v1(62.2,44.6) ; v1(34.63,12.1) 34.63,13.7 ; 25.62,83.73 v1(25.62,83.73) ; 35.9,13.7 Q22.2 v1(35.9,12.1) ; v1(16.34,46.52) 16.36,46.5 J1.4 ; 44.16,49.95 43.78,50.33 v1(43.14,50.33)
  Bottom w0.975: 26.52,83.73 25.62,83.73
  vias: v1(12.66,80.43) v1(26.52,83.73) v1(29.46,80.42) v1(63.75,1.39)
/Power1/3V3_EN: length 45.3
  Top w0.235: v1(39.34,9.4) 38.69,8.74 Q26.3 ; R89.2 56.31,4.25 v1(56.31,3.66)
  Route2 w0.235: v1(56.31,3.66) 56.31,13.37 51.35,18.33 48.28,18.33 ; 48.28,18.33 v1(39.34,9.4) ; 48.28,18.33 v1(47.92,18.7)
  Bottom w0.235: Q14.6 57.24,3.25 56.71,3.25 v1(56.31,3.66) ; C49.2 48.35,19.53 ; 48.35,19.53 47.92,19.1 v1(47.92,18.7) 47.85,18.62 R106.1 ; 48.35,19.53 47.7,19.53 46.45,20.77 IC1.2
/Power/3V3_EN: length 17.2
  Top w0.235: 56.53,70.62 U5.7
  Top w0.279: 56,69.63 v1(55.84,69.63)
  Top w0.305: 56,69.63 56.53,70.16 U5.7
  Route15 w0.272: v1(52.22,62.01) 54.32,62.01 55.84,63.54 v1(55.84,69.63)
  Bottom w0.272: 51.52,62.01 v1(52.22,62.01) ; 51.52,62.01 51.52,60.28 51.22,59.98 R29.2 ; 51.52,62.01 51.52,62.65 51.41,62.76 Q2.6
GND: length 142.7
  Top w0.235: 72.43,49.28 U6.P$7 ; v1(38.7,35.22) 38.7,35.9 38.81,36.01 ; v1(58.56,14.09) 58.86,13.79 R112.1 ; 44.46,48.44 v1(44.45,48.43) ; 42.04,45.1 U2.54 ; R20.1 70,43 70,43 ; 65.94,48.93 C3.2 ; 78.51,49.28 C22.2 ; 43.79,83.59 43.67,83.59 U12.10 ; C7.2 64.1,46.93 64.21,46.82 ; Q10.2 43.24,3.2 43.24,3.39 v1(43.01,3.62) ; 18.18,9.11 18.23,9.06 18.25,9.06 ; 60.8,46.38 U3.2 ; 53.38,42.6 U2.22 ; 38.81,36.01 SW1.B 38.81,36.01 ; 71.38,47.06 U6.P$12 ; 78.44,46.01 C23.2 ; 46.96,38.18 U2.7 ; 17.23,9.06 17.31,9.14 17.31,9.13 17.29,9.11 ; v1(47.97,4.36) 48.23,4.61 R79.2 ; SW1.B' 38.82,31.92 v1(38.82,31.15) ; C51.1 48.22,3.29 48.47,3.29 v1(48.8,3.62) ; D1.3 34.85,90.74 34.89,90.7 ; 78.47,52.57 R12.1 ; 72.85,47.91 U6.P$17 ; C47.1 58.6,21.37 v1(58.94,21.03) 58.83,20.92 R88.1 ; 64.74,58.34 U4.4 ; 75.72,42.67 R9.2 ; 25.63,78.52 U10.8 ; 61.3,46.38 U3.3 ; 67.95,47.06 C28.2 ; 73.43,49.68 U6.P$5 ; 46.89,33.33 C2.2
  Top w0.25: U3.7 62.37,48.16 62.7,48.49 v1(62.7,48.62) 62.7,48.68 ; v1(60.79,45.4) 60.8,45.4 60.8,46.38 ; U3.6 62.7,47.66 v1(62.89,47.85) ; v1(73.72,50.28) 73.43,49.99 U6.P$5 ; v1(71.08,46.49) 71.38,46.79 U6.P$12 ; U6.P$17 v1(72.43,48.33) 72.43,50.24 v1(72.35,50.32) ; 61.3,46.38 61.3,45.75 61.47,45.58 v1(61.54,45.58)
  Top w0.272: 43.77,83.57 43.82,83.62 ; J19.14 86.52,40.26 ; 86.52,40.26 87.06,39.72 87.06,33.63 86.52,33.09 ; 86.52,40.26 v3(86.52,55.94) ; 53.38,42.6 52.32,42.6 v1(52.16,42.76) ; 86.52,33.09 86.12,32.68 J19.1 ; 86.52,33.09 86.52,24.98 86.15,24.6 J22.7 ; v1(41.67,34.21) 41.67,33.47 C1.2 41.39,33.19 ; v1(46.76,34.21) 46.76,33.46 C2.2
  Top w0.279: v1(73.02,47.72) 73.02,47.73 U6.P$17 ; U8.4 57.42,40.04 v1(57.75,40.37) ; 64.21,47.3 64.21,46.34 v1(64.2,46.33) ; 20.41,28.24 v1(20.41,28.23) ; C30.2 64.86,41.37 v1(64.7,41.21) ; 34.85,90.18 v1(34.89,90.14)
  Top w0.293: C32.1 61.96,62.17 v1(61.94,62.14) ; R59.2 71.83,9.92 v1(72.27,10.36) ; C45.1 v1(69.3,19.72)
  Top w0.3: 51.46,49.52 U2.33 51.46,50.12 51.9,50.56 v1(51.9,50.58) ; v1(43.14,45.12) 43.12,45.1 42.04,45.1 ; 46.96,38.18 46.96,39.22 v1(46.77,39.41) ; U2.47 44.46,48.44
  Top w0.33: 64.74,58.34 64.74,57.04 v1(64.89,56.89)
  Top w0.338: J22.14 86.52,29.15
  Top w0.406: 57.83,69.84 U5.5 ; v1(75.65,42.2) 75.72,42.27 R9.2
  Top w0.508: v1(79.4,49.25) 79.37,49.28 78.51,49.28 ; R12.1 78.47,52.13 v1(78.45,52.11) ; 65.73,48.87 65.8,48.93 66.64,48.93 v1(67.02,48.55) ; C23.2 78.44,45.89 v1(78.96,45.38) ; C5.2 41.39,90.74 v1(41.36,90.72) ; v1(34.89,90.14) 34.89,91.26 ; 18.18,9.11 U23.2 17.29,9.11 ; 15.29,43.83 15.3,43.82 v1(15.3,42.46) ; v1(32.98,80.34) 31.92,80.34 31.21,81.05 ; 17.29,9.11 17.29,9.06 ; 17.29,9.11 17.29,12.16 ; 23.34,83.61 23.33,83.62 U10.10 ; v1(69.94,42.2) 69.94,42.94 R20.1 ; 17.23,9.06 16.34,9.06 ; C28.2 67.95,46.82 v1(67.53,46.39)
  Top w0.61: 45.93,78.54 46.45,78.02 v1(47.84,78.02) ; v1(59.52,43.47) U8.9 59.52,41.12 v1(59.22,40.82) ; v1(29.32,28.26) 29.31,28.25 29.31,26.81 ; v1(65.75,12.95) v1(65.75,11.85) ; 10.88,81.08 11.38,81.57 v1(12.66,81.57) ; v1(23.33,81.95) 23.33,81.96 U10.10 ; 15.3,25.39 15.31,25.4 15.31,26.81 ; 25.49,78.54 25.5,78.52 v1(27.27,78.52) ; 43.77,83.57 v1(43.77,81.95) ; v1(65.75,18.37) v1(65.75,19.47) ; v1(64.48,12.95) v1(64.48,11.85) ; v1(64.48,18.37) v1(64.48,19.47)
  Top w1.016: v3(86.52,55.94) 85.57,55.94 J20.14 J20.13
  Top w1.27: 63.43,69.46 C19.2 C20.2
  Bottom w0.235: U13.5 U13.6
  Bottom w0.272: U13.23 11.19,31.02 ; U13.16 12.01,27.33 ; U13.22 10.78,30.52 ; 11.29,31.49 10.6,31.49 ; 15.08,28.54 v1(14.92,28.69) ; U13.1 16.32,31.53 16.32,32.27 ; U13.24 11.33,32.08 11.36,32.12 11.93,32.12 U13.25 ; U13.8 16.32,28.01 16.32,27.17 16.21,27.27 ; 17.2,29.02 v1(17.43,29.25) ; U13.25 12.09,32.26 ; U13.25 12.08,32.68 ; 16.57,32.38 16.46,32.27 16.32,32.27 ; 15.08,31.02 17.42,31.02 v1(17.48,31.08) ; 15.08,33.14 v1(15.25,33.32) 15.58,32.99 ; 10.4,29.02 v1(10.17,28.79) 10.44,28.52 ; 14.08,26.55 13.72,26.2 13.58,26.35 ; U13.14 13.08,26.85 ; 16.32,32.27 U13.32 15.59,32.26 ; 14.08,33.22 13.98,33.32 ; 14.58,26.42 14.79,26.2 15.08,26.49 ; 10.38,30.02 v1(10.17,29.81) ; U13.29 14.03,32.22 ; 17.17,28.02 v1(17.43,28.29) ; 20.92,56.43 18.88,56.43 ; 11.33,27.33 11.36,27.3 ; 13.58,32.96 13.39,33.14 ; 12.59,28.52 v1(12.76,28.69) ; U13.30 14.54,32.31 ; 12.59,31.02 v1(12.76,30.85)
  Bottom w0.279: 31.23,31.1 31.3,31.17 v1(31.3,32.4)
  Bottom w0.406: 25.17,13.58 25.17,14.81 v1(25.21,14.85)
  Bottom w0.508: 76.21,9.11 U24.2 74.38,9.11
  vias: v1(9.56,23.41) v1(9.63,25.11) v1(9.84,34.28) v1(10.02,37.38) v1(10.12,36.36) v1(10.17,30.83) v1(10.36,25.84) v1(10.57,33.54) v1(10.63,23.41) v1(11.02,26.69) v1(11.14,36.87) v1(11.14,35.85) v1(11.23,32.7) v1(11.39,24.17) v1(11.65,23.15) v1(11.9,35.09) v1(12.15,36.11) v1(12.15,24.93) v1(12.41,23.91) v1(12.66,34.33) v1(12.92,35.34) v1(12.92,25.69) v1(13.17,24.68) v1(13.3,33.69) v1(13.8,34.46) v1(13.72,26.33) v1(13.83,29.77) v1(13.93,25.31) v1(14.19,33.32) v1(14.92,30.85) v1(16.32,33.32) v1(16.34,27.24) v1(16.32,26.2) v1(16.85,12.48) v1(16.85,11.44) v1(17.48,33.32) v1(17.48,32.25) v1(20.41,32.5) v1(20.41,31.03) v1(20.41,29.56) v1(56.48,74.84) v1(65.24,72.68) v2(9.87,14.59) v2(9.87,12.72) v2(11.14,17.08) v2(11.14,15.81) v2(11.14,14.59) v2(11.14,12.72) v2(11.14,11.45) v2(11.14,9.94) v2(11.14,8.8) v2(11.14,7.53) v2(12.41,17.08) v2(12.41,15.81) v2(12.41,14.59) v2(12.41,12.72) v2(12.41,11.45) v2(12.41,9.94) v2(12.41,8.8) v2(12.41,7.53) v2(13.68,17.08) v2(13.68,15.81) v2(13.68,14.59) v2(13.68,11.45) v2(13.68,9.94) v2(13.68,8.8) v2(13.68,7.53) v2(14.57,13.63) v2(14.95,7.53) v2(15.46,14.59) v2(15.46,12.74) v2(16.09,7.53) v2(16.34,13.63) v2(17.23,7.53) v2(18.25,12.48) v2(18.25,11.45) v2(18.25,7.53) v2(20.54,20.68) v2(21.3,22.26) v2(21.3,19.34) v2(21.93,20.68) v2(70.45,20.74) v2(71.64,15.66) v2(72.03,20.68) v2(73.42,20.68) v2(75.4,15.66) v2(77.05,16.68) v2(77.05,14.52) v2(77.43,12.74) v2(77.64,15.66) v2(78.19,16.68) v2(78.19,14.52) v2(78.7,11.47) v2(78.7,9.94) v2(79.34,15.66) v2(79.97,16.68) v2(79.97,14.64) v2(79.97,12.87) v2(79.97,11.47) v2(80.61,9.18) v2(81.37,14.64) v2(81.37,12.9)
